# KiCad board hvd-68-vhdci-panel.kicad_pcb (continued)
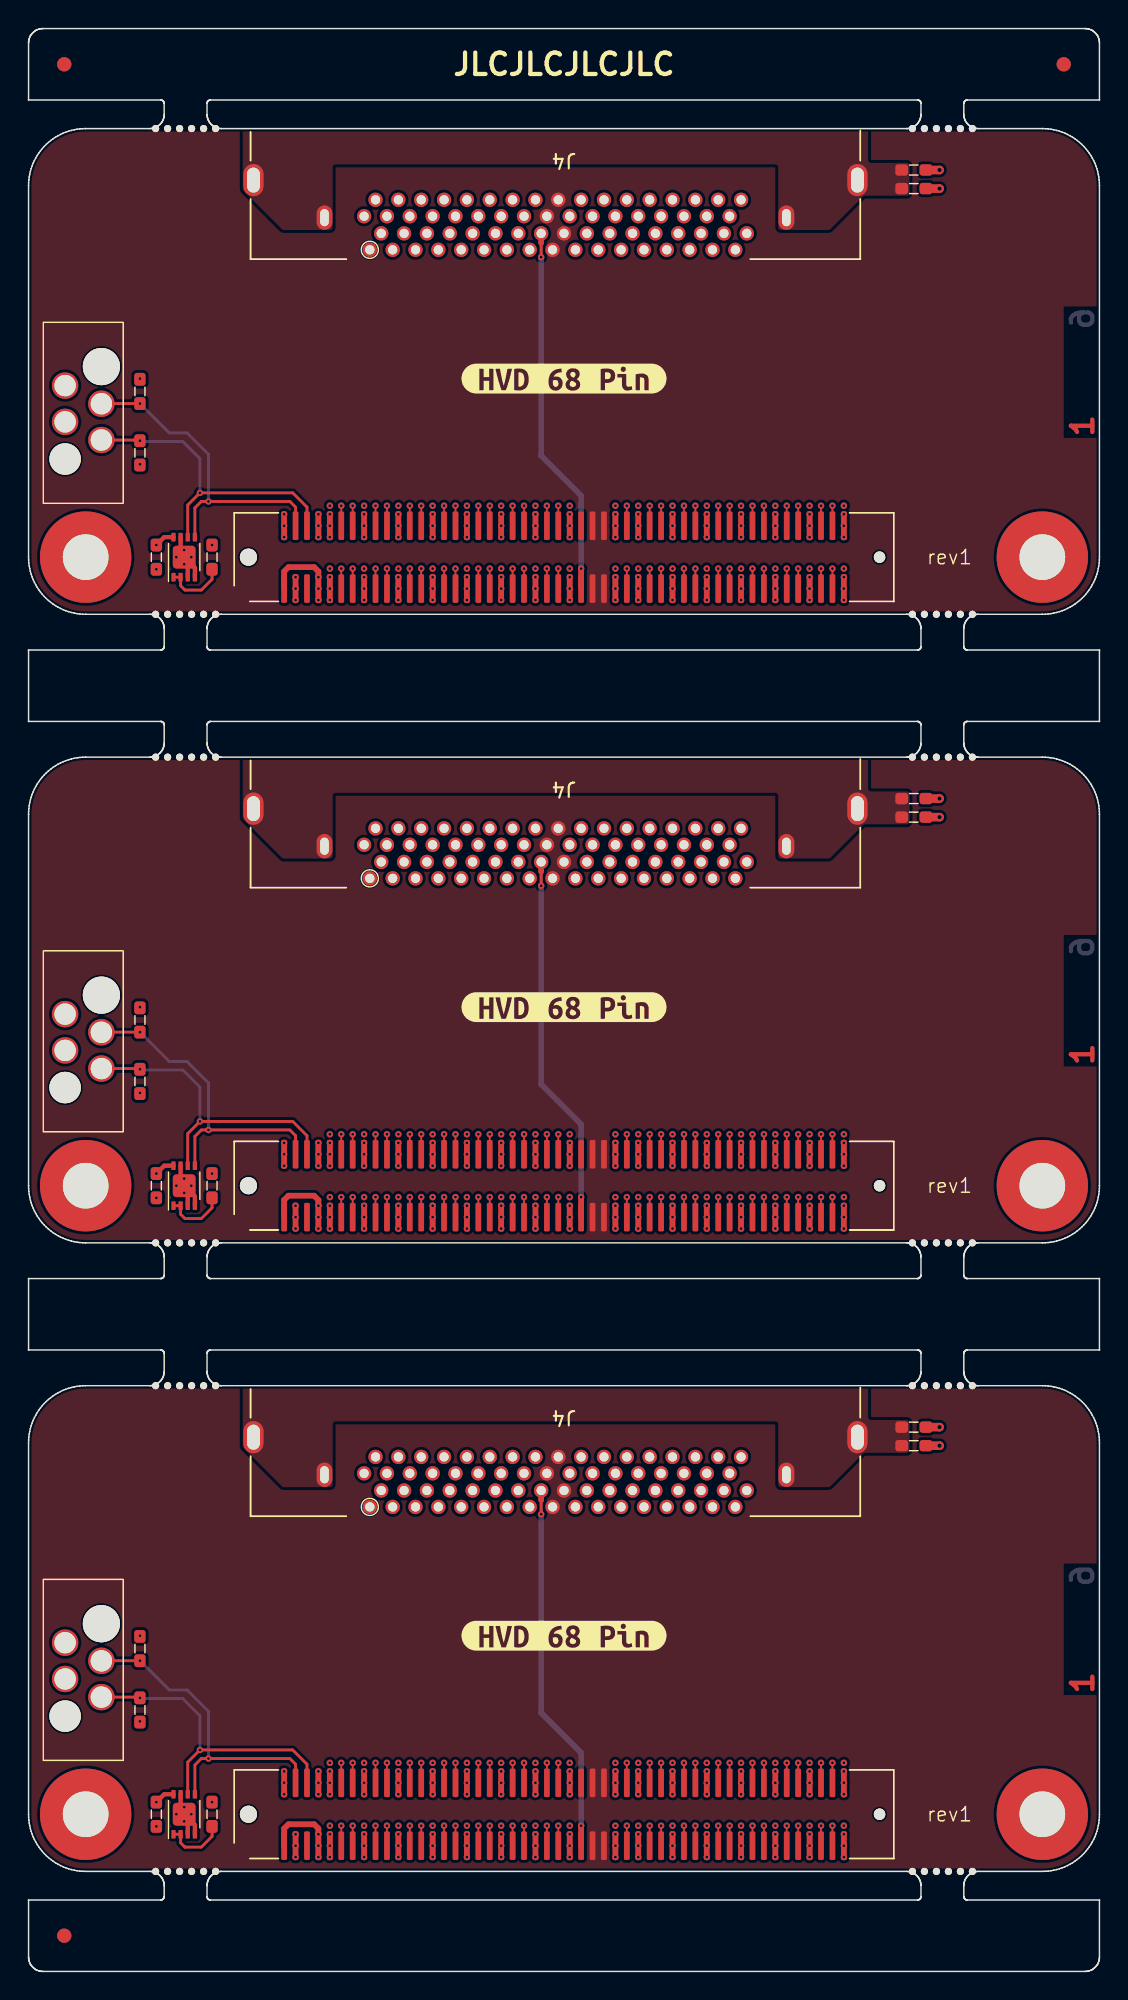
[diagram p0: board, top side]
## Routing (per net, layer and track width the routed paths; a pad name or vN(x,y) marks a point on that pad's centre or on a via; arc(x,y) is an arc through that point) (continued)
Board_0-/CON.DB7-: length 27
  Top w0.128: J1.48 v1(36.3,102.6)
  In2.Cu w0.128: J4#2.48 33.9,122.2 33.7,122 33.7,121.3 34.1,120.9 34.1,113.04 arc(34.04,112.88) 33.88,112.82 arc(33.73,112.76) 33.66,112.6 33.66,112.44 arc(33.73,112.28) 33.88,112.22 arc(34.04,112.16) 34.1,112 34.1,111.84 arc(34.04,111.68) 33.88,111.62 arc(33.73,111.56) 33.66,111.4 33.66,111.24 arc(33.73,111.08) 33.88,111.02 arc(34.04,110.96) 34.1,110.8 34.1,110.64 arc(34.04,110.48) 33.88,110.42 arc(33.73,110.36) 33.66,110.2 33.66,110.04 arc(33.73,109.88) 33.88,109.82 arc(34.04,109.76) 34.1,109.6 34.1,109.44 arc(34.04,109.28) 33.88,109.22 arc(33.73,109.16) 33.66,109 33.66,108.84 arc(33.73,108.68) 33.88,108.62 arc(34.04,108.56) 34.1,108.4 34.1,108.24 arc(34.04,108.08) 33.88,108.02 arc(33.73,107.96) 33.66,107.8 33.66,107.64 arc(33.73,107.48) 33.88,107.42 arc(34.04,107.36) 34.1,107.2 34.1,107.04 arc(34.04,106.88) 33.88,106.82 arc(33.73,106.76) 33.66,106.6 33.66,106.44 arc(33.73,106.28) 33.88,106.22 arc(34.04,106.16) 34.1,106 34.1,104.8 v1(36.3,102.6)
Board_0-/CON.DB8+: length 29.6
  Top w0.128: J1.89 v1(53.1,98.2)
  In3.Cu w0.128: v1(53.1,98.2) 52.8,98.5 52.8,102.9 47.3,108.4 47.3,110 arc(47.37,110.17) 47.54,110.24 arc(47.7,110.31) 47.77,110.47 47.77,110.6 arc(47.7,110.77) 47.54,110.84 arc(47.37,110.91) 47.3,111.07 47.3,111.2 arc(47.37,111.37) 47.54,111.44 arc(47.7,111.51) 47.77,111.67 47.77,111.8 arc(47.7,111.97) 47.54,112.04 arc(47.37,112.11) 47.3,112.27 47.3,112.4 arc(47.37,112.57) 47.54,112.64 arc(47.7,112.71) 47.77,112.87 47.77,113 arc(47.7,113.17) 47.54,113.24 arc(47.37,113.31) 47.3,113.47 47.3,113.6 arc(47.37,113.77) 47.54,113.84 arc(47.7,113.91) 47.77,114.07 47.77,114.2 arc(47.7,114.37) 47.54,114.44 arc(47.37,114.51) 47.3,114.67 47.3,114.8 arc(47.37,114.97) 47.54,115.04 arc(47.7,115.11) 47.77,115.27 47.77,115.4 arc(47.7,115.57) 47.54,115.64 arc(47.37,115.71) 47.3,115.87 47.3,116 arc(47.37,116.17) 47.54,116.24 arc(47.7,116.31) 47.77,116.47 47.77,116.6 arc(47.7,116.77) 47.54,116.84 arc(47.37,116.91) 47.3,117.07 47.3,119.92 J4#2.31
Board_0-/CON.DB8-: length 27
  Top w0.128: J1.90 v1(53.1,102.6)
  In2.Cu w0.128: v1(53.1,102.6) 47.3,108.4 47.3,110 arc(47.35,110.13) 47.49,110.19 arc(47.62,110.24) 47.67,110.37 47.67,110.6 arc(47.62,110.73) 47.49,110.79 arc(47.35,110.84) 47.3,110.97 47.3,111.2 arc(47.35,111.33) 47.49,111.39 arc(47.62,111.44) 47.67,111.57 47.67,111.8 arc(47.62,111.93) 47.49,111.99 arc(47.35,112.04) 47.3,112.17 47.3,112.4 arc(47.35,112.53) 47.49,112.59 arc(47.62,112.64) 47.67,112.77 47.67,113 arc(47.62,113.13) 47.49,113.19 arc(47.35,113.24) 47.3,113.37 47.3,113.6 arc(47.36,113.75) 47.51,113.81 arc(47.66,113.87) 47.72,114.02 47.72,114.2 arc(47.66,114.35) 47.51,114.41 arc(47.36,114.47) 47.3,114.62 47.3,114.8 arc(47.36,114.95) 47.51,115.01 arc(47.66,115.07) 47.72,115.22 47.72,115.4 arc(47.66,115.55) 47.51,115.61 arc(47.36,115.67) 47.3,115.82 47.3,116 arc(47.35,116.13) 47.49,116.19 arc(47.62,116.24) 47.67,116.37 47.67,116.6 arc(47.62,116.73) 47.49,116.79 arc(47.35,116.84) 47.3,116.97 47.3,120.9 47.7,121.3 47.7,122 47.5,122.2 J4#2.65
Board_0-/CON.DB9+: length 29.6
  Top w0.128: J1.91 v1(53.9,98.2)
  In3.Cu w0.128: J4#2.32 48.7,120.3 48.5,120.1 48.5,115.82 arc(48.44,115.68) 48.29,115.61 arc(48.14,115.55) 48.08,115.4 48.08,115.22 arc(48.14,115.08) 48.29,115.01 arc(48.44,114.95) 48.5,114.8 48.5,114.62 arc(48.44,114.48) 48.29,114.41 arc(48.14,114.35) 48.08,114.2 48.08,114.02 arc(48.14,113.88) 48.29,113.81 arc(48.44,113.75) 48.5,113.6 48.5,113.42 arc(48.44,113.28) 48.29,113.21 arc(48.14,113.15) 48.08,113 48.08,112.82 arc(48.14,112.68) 48.29,112.61 arc(48.44,112.55) 48.5,112.4 48.5,112.22 arc(48.44,112.08) 48.29,112.01 arc(48.14,111.95) 48.08,111.8 48.08,111.62 arc(48.14,111.48) 48.29,111.41 arc(48.44,111.35) 48.5,111.2 48.5,111.02 arc(48.44,110.88) 48.29,110.81 arc(48.14,110.75) 48.08,110.6 48.08,110.42 arc(48.14,110.28) 48.29,110.21 arc(48.44,110.15) 48.5,110 48.5,108 53.5,103 53.5,98.6 v1(53.9,98.2)
Board_0-/CON.DB9-: length 27
  Top w0.128: J1.92 v1(53.9,102.6)
  In2.Cu w0.128: v1(53.9,102.6) 48.5,108 48.5,110 arc(48.43,110.17) 48.26,110.24 48.26,110.24 arc(48.09,110.31) 48.02,110.48 48.02,110.6 arc(48.09,110.77) 48.26,110.84 48.26,110.84 arc(48.43,110.91) 48.5,111.08 48.5,111.2 arc(48.43,111.37) 48.26,111.44 48.26,111.44 arc(48.09,111.51) 48.02,111.68 48.02,111.8 arc(48.09,111.97) 48.26,112.04 48.26,112.04 arc(48.43,112.11) 48.5,112.28 48.5,112.4 arc(48.43,112.57) 48.26,112.64 48.26,112.64 arc(48.09,112.71) 48.02,112.88 48.02,113 arc(48.09,113.17) 48.26,113.24 48.26,113.24 arc(48.43,113.31) 48.5,113.48 48.5,120.9 48.1,121.3 48.1,122 48.3,122.2 J4#2.66
Board_0-/CON.DB10+: length 29.6
  Top w0.128: J1.95 v1(55.5,98.2)
  In3.Cu w0.128: J4#2.33 48.9,119.92 48.9,115.88 arc(48.97,115.71) 49.14,115.64 49.16,115.64 arc(49.33,115.57) 49.4,115.4 49.4,115.28 arc(49.33,115.11) 49.16,115.04 49.14,115.04 arc(48.97,114.97) 48.9,114.8 48.9,114.68 arc(48.97,114.51) 49.14,114.44 49.16,114.44 arc(49.33,114.37) 49.4,114.2 49.4,114.08 arc(49.33,113.91) 49.16,113.84 49.14,113.84 arc(48.97,113.77) 48.9,113.6 48.9,113.48 arc(48.97,113.31) 49.14,113.24 49.16,113.24 arc(49.33,113.17) 49.4,113 49.4,112.88 arc(49.33,112.71) 49.16,112.64 49.14,112.64 arc(48.97,112.57) 48.9,112.4 48.9,112.28 arc(48.97,112.11) 49.14,112.04 49.16,112.04 arc(49.33,111.97) 49.4,111.8 49.4,111.68 arc(49.33,111.51) 49.16,111.44 49.14,111.44 arc(48.97,111.37) 48.9,111.2 48.9,111.08 arc(48.97,110.91) 49.14,110.84 49.16,110.84 arc(49.33,110.77) 49.4,110.6 49.4,110.48 arc(49.33,110.31) 49.16,110.24 49.14,110.24 arc(48.97,110.17) 48.9,110 48.9,109.2 55.2,102.9 55.2,98.5 v1(55.5,98.2)
Board_0-/CON.DB10-: length 27
  Top w0.128: J1.96 v1(55.5,102.6)
  In2.Cu w0.128: J4#2.67 49.1,122.2 49.3,122 49.3,121.3 48.9,120.9 48.9,114.68 arc(48.97,114.51) 49.14,114.44 49.16,114.44 arc(49.33,114.37) 49.4,114.2 49.4,114.08 arc(49.33,113.91) 49.16,113.84 49.14,113.84 arc(48.97,113.77) 48.9,113.6 48.9,113.48 arc(48.97,113.31) 49.14,113.24 49.16,113.24 arc(49.33,113.17) 49.4,113 49.4,112.88 arc(49.33,112.71) 49.16,112.64 49.14,112.64 arc(48.97,112.57) 48.9,112.4 48.9,112.28 arc(48.97,112.11) 49.14,112.04 49.16,112.04 arc(49.33,111.97) 49.4,111.8 49.4,111.68 arc(49.33,111.51) 49.16,111.44 49.14,111.44 arc(48.97,111.37) 48.9,111.2 48.9,111.08 arc(48.97,110.91) 49.14,110.84 49.16,110.84 arc(49.33,110.77) 49.4,110.6 49.4,110.48 arc(49.33,110.31) 49.16,110.24 49.14,110.24 arc(48.97,110.17) 48.9,110 48.9,109.2 v1(55.5,102.6)
Board_0-/CON.DB11+: length 29.6
  Top w0.128: J1.97 v1(56.3,98.2)
  In3.Cu w0.128: J4#2.34 50.3,120.3 50.1,120.1 50.1,114.66 arc(50.17,114.5) 50.33,114.43 arc(50.49,114.36) 50.56,114.2 50.56,114.06 arc(50.49,113.9) 50.33,113.83 arc(50.17,113.76) 50.1,113.6 50.1,113.46 arc(50.17,113.3) 50.33,113.23 arc(50.49,113.16) 50.56,113 50.56,112.86 arc(50.49,112.7) 50.33,112.63 arc(50.17,112.56) 50.1,112.4 50.1,112.26 arc(50.17,112.1) 50.33,112.03 arc(50.49,111.96) 50.56,111.8 50.56,111.66 arc(50.49,111.5) 50.33,111.43 arc(50.17,111.36) 50.1,111.2 50.1,111.06 arc(50.17,110.9) 50.33,110.83 arc(50.49,110.76) 50.56,110.6 50.56,110.46 arc(50.49,110.3) 50.33,110.23 arc(50.17,110.16) 50.1,110 50.1,108.8 55.9,103 55.9,98.6 v1(56.3,98.2)
Board_0-/CON.DB11-: length 27
  Top w0.128: J1.98 v1(56.3,102.6)
  In2.Cu w0.128: v1(56.3,102.6) 50.1,108.8 50.1,110 arc(50.16,110.14) 50.29,110.2 arc(50.43,110.25) 50.49,110.39 50.49,110.6 arc(50.43,110.74) 50.29,110.8 arc(50.16,110.85) 50.1,110.99 50.1,111.2 arc(50.16,111.34) 50.29,111.4 arc(50.43,111.45) 50.49,111.59 50.49,111.8 arc(50.43,111.94) 50.29,112 arc(50.16,112.05) 50.1,112.19 50.1,112.4 arc(50.16,112.54) 50.29,112.6 arc(50.43,112.65) 50.49,112.79 50.49,113 arc(50.43,113.14) 50.29,113.2 arc(50.16,113.25) 50.1,113.39 50.1,120.9 49.7,121.3 49.7,122 49.9,122.2 J4#2.68
Board_0-/CON.DB12+: length 29.6
  Top w0.128: J1.11 v1(21.9,98.2)
  In3.Cu w0.128: v1(21.9,98.2) 22.3,98.6 22.3,103 24.5,105.2 24.5,106 arc(24.43,106.17) 24.26,106.24 24.25,106.24 arc(24.08,106.31) 24.01,106.48 24.01,106.6 arc(24.08,106.77) 24.25,106.84 24.26,106.84 arc(24.43,106.91) 24.5,107.08 24.5,107.2 arc(24.43,107.37) 24.26,107.44 24.25,107.44 arc(24.08,107.51) 24.01,107.68 24.01,107.8 arc(24.08,107.97) 24.25,108.04 24.26,108.04 arc(24.43,108.11) 24.5,108.28 24.5,108.4 arc(24.43,108.57) 24.26,108.64 24.25,108.64 arc(24.08,108.71) 24.01,108.88 24.01,109 arc(24.08,109.17) 24.25,109.24 24.26,109.24 arc(24.43,109.31) 24.5,109.48 24.5,109.6 arc(24.43,109.77) 24.26,109.84 24.25,109.84 arc(24.08,109.91) 24.01,110.08 24.01,110.2 arc(24.08,110.37) 24.25,110.44 24.26,110.44 arc(24.43,110.51) 24.5,110.68 24.5,110.8 arc(24.43,110.97) 24.26,111.04 24.25,111.04 arc(24.08,111.11) 24.01,111.28 24.01,111.4 arc(24.08,111.57) 24.25,111.64 24.26,111.64 arc(24.43,111.71) 24.5,111.88 24.5,112 arc(24.43,112.17) 24.26,112.24 24.25,112.24 arc(24.08,112.31) 24.01,112.48 24.01,112.6 arc(24.08,112.77) 24.25,112.84 24.26,112.84 arc(24.43,112.91) 24.5,113.08 24.5,113.2 arc(24.43,113.37) 24.26,113.44 24.25,113.44 arc(24.08,113.51) 24.01,113.68 24.01,113.8 arc(24.08,113.97) 24.25,114.04 24.26,114.04 arc(24.43,114.11) 24.5,114.28 24.5,114.4 arc(24.43,114.57) 24.26,114.64 24.25,114.64 arc(24.08,114.71) 24.01,114.88 24.01,115 arc(24.08,115.17) 24.25,115.24 24.26,115.24 arc(24.43,115.31) 24.5,115.48 24.5,119.92 J4#2.1
Board_0-/CON.DB12-: length 27
  Top w0.128: J1.12 v1(21.9,102.6)
  In2.Cu w0.128: J4#2.35 23.5,122.2 23.7,122 23.7,121.5 24.5,120.7 24.5,114.28 arc(24.43,114.11) 24.26,114.04 arc(24.09,113.97) 24.02,113.8 24.02,113.68 arc(24.09,113.51) 24.26,113.44 arc(24.43,113.37) 24.5,113.2 24.5,113.08 arc(24.43,112.91) 24.26,112.84 arc(24.09,112.77) 24.02,112.6 24.02,112.48 arc(24.09,112.31) 24.26,112.24 arc(24.43,112.17) 24.5,112 24.5,111.88 arc(24.43,111.71) 24.26,111.64 arc(24.09,111.57) 24.02,111.4 24.02,111.28 arc(24.09,111.11) 24.26,111.04 arc(24.43,110.97) 24.5,110.8 24.5,110.68 arc(24.43,110.51) 24.26,110.44 arc(24.09,110.37) 24.02,110.2 24.02,110.08 arc(24.09,109.91) 24.26,109.84 arc(24.43,109.77) 24.5,109.6 24.5,109.48 arc(24.43,109.31) 24.26,109.24 arc(24.09,109.17) 24.02,109 24.02,108.88 arc(24.09,108.71) 24.26,108.64 arc(24.43,108.57) 24.5,108.4 24.5,108.28 arc(24.43,108.11) 24.26,108.04 arc(24.09,107.97) 24.02,107.8 24.02,107.68 arc(24.09,107.51) 24.26,107.44 arc(24.43,107.37) 24.5,107.2 24.5,107.08 arc(24.43,106.91) 24.26,106.84 arc(24.09,106.77) 24.02,106.6 24.02,106.48 arc(24.09,106.31) 24.26,106.24 arc(24.43,106.17) 24.5,106 24.5,105.2 v1(21.9,102.6)
Board_0-/CON.DB13+: length 29.6
  Top w0.128: J1.13 v1(22.7,98.2)
  In3.Cu w0.128: v1(22.7,98.2) 23,98.5 23,102.9 24.9,104.8 24.9,106 arc(24.96,106.16) 25.12,106.22 arc(25.28,106.29) 25.34,106.44 25.34,106.6 arc(25.28,106.76) 25.12,106.82 arc(24.96,106.89) 24.9,107.04 24.9,107.2 arc(24.96,107.36) 25.12,107.42 arc(25.28,107.49) 25.34,107.64 25.34,107.8 arc(25.28,107.96) 25.12,108.02 arc(24.96,108.09) 24.9,108.24 24.9,108.4 arc(24.96,108.56) 25.12,108.62 arc(25.28,108.69) 25.34,108.84 25.34,109 arc(25.28,109.16) 25.12,109.22 arc(24.96,109.29) 24.9,109.44 24.9,109.6 arc(24.96,109.76) 25.12,109.82 arc(25.28,109.89) 25.34,110.04 25.34,110.2 arc(25.28,110.36) 25.12,110.42 arc(24.96,110.49) 24.9,110.64 24.9,110.8 arc(24.97,110.97) 25.14,111.04 25.15,111.04 arc(25.32,111.11) 25.39,111.28 25.39,111.4 arc(25.32,111.57) 25.15,111.64 25.14,111.64 arc(24.97,111.71) 24.9,111.88 24.9,112 arc(24.97,112.17) 25.14,112.24 25.15,112.24 arc(25.32,112.31) 25.39,112.48 25.39,112.6 arc(25.32,112.77) 25.15,112.84 25.14,112.84 arc(24.97,112.91) 24.9,113.08 24.9,113.2 arc(24.97,113.37) 25.14,113.44 25.15,113.44 arc(25.32,113.51) 25.39,113.68 25.39,113.8 arc(25.32,113.97) 25.15,114.04 25.14,114.04 arc(24.97,114.11) 24.9,114.28 24.9,120.1 24.7,120.3 J4#2.2
Board_0-/CON.DB13-: length 27
  Top w0.128: J1.14 v1(22.7,102.6)
  In2.Cu w0.128: v1(22.7,102.6) 24.9,104.8 24.9,106 arc(24.97,106.17) 25.14,106.24 25.15,106.24 arc(25.32,106.31) 25.39,106.48 25.39,106.6 arc(25.32,106.77) 25.15,106.84 25.14,106.84 arc(24.97,106.91) 24.9,107.08 24.9,107.2 arc(24.97,107.37) 25.14,107.44 25.15,107.44 arc(25.32,107.51) 25.39,107.68 25.39,107.8 arc(25.32,107.97) 25.15,108.04 25.14,108.04 arc(24.97,108.11) 24.9,108.28 24.9,108.4 arc(24.97,108.57) 25.14,108.64 25.15,108.64 arc(25.32,108.71) 25.39,108.88 25.39,109 arc(25.32,109.17) 25.15,109.24 25.14,109.24 arc(24.97,109.31) 24.9,109.48 24.9,109.6 arc(24.97,109.77) 25.14,109.84 25.15,109.84 arc(25.32,109.91) 25.39,110.08 25.39,110.2 arc(25.32,110.37) 25.15,110.44 25.14,110.44 arc(24.97,110.51) 24.9,110.68 24.9,110.8 arc(24.97,110.97) 25.14,111.04 25.15,111.04 arc(25.32,111.11) 25.39,111.28 25.39,111.4 arc(25.32,111.57) 25.15,111.64 25.14,111.64 arc(24.97,111.71) 24.9,111.88 24.9,120.66 24.1,121.46 24.1,122 24.3,122.2 J4#2.36
Board_0-/CON.DB14+: length 29.6
  Top w0.128: J1.17 v1(24.3,98.2)
  In3.Cu w0.128: v1(24.3,98.2) 24.7,98.6 24.7,103 26.1,104.4 26.1,106 arc(26.03,106.17) 25.86,106.24 25.85,106.24 arc(25.68,106.31) 25.61,106.48 25.61,106.6 arc(25.68,106.77) 25.85,106.84 25.86,106.84 arc(26.03,106.91) 26.1,107.08 26.1,107.2 arc(26.03,107.37) 25.86,107.44 25.85,107.44 arc(25.68,107.51) 25.61,107.68 25.61,107.8 arc(25.68,107.97) 25.85,108.04 25.86,108.04 arc(26.03,108.11) 26.1,108.28 26.1,108.4 arc(26.03,108.57) 25.86,108.64 25.85,108.64 arc(25.68,108.71) 25.61,108.88 25.61,109 arc(25.68,109.17) 25.85,109.24 25.86,109.24 arc(26.03,109.31) 26.1,109.48 26.1,109.6 arc(26.03,109.77) 25.86,109.84 25.85,109.84 arc(25.68,109.91) 25.61,110.08 25.61,110.2 arc(25.68,110.37) 25.85,110.44 25.86,110.44 arc(26.03,110.51) 26.1,110.68 26.1,110.8 arc(26.04,110.95) 25.88,111.02 arc(25.73,111.08) 25.67,111.23 25.67,111.4 arc(25.73,111.55) 25.88,111.62 arc(26.04,111.68) 26.1,111.83 26.1,112 arc(26.04,112.15) 25.88,112.22 arc(25.73,112.28) 25.67,112.43 25.67,112.6 arc(25.73,112.75) 25.88,112.82 arc(26.04,112.88) 26.1,113.03 26.1,113.2 arc(26.04,113.35) 25.88,113.42 arc(25.73,113.48) 25.67,113.63 25.67,113.8 arc(25.73,113.95) 25.88,114.02 arc(26.04,114.08) 26.1,114.23 26.1,114.4 arc(26.03,114.57) 25.86,114.64 25.85,114.64 arc(25.68,114.71) 25.61,114.88 25.61,115 arc(25.68,115.17) 25.85,115.24 25.86,115.24 arc(26.03,115.31) 26.1,115.48 26.1,115.6 arc(26.03,115.77) 25.86,115.84 25.85,115.84 arc(25.68,115.91) 25.61,116.08 25.61,116.2 arc(25.68,116.37) 25.85,116.44 25.86,116.44 arc(26.03,116.51) 26.1,116.68 26.1,119.92 J4#2.3
Board_0-/CON.DB14-: length 27
  Top w0.128: J1.18 v1(24.3,102.6)
  In2.Cu w0.128: v1(24.3,102.6) 26.1,104.4 26.1,106 arc(26.04,106.15) 25.89,106.22 arc(25.73,106.28) 25.67,106.43 25.67,106.6 arc(25.73,106.75) 25.89,106.82 arc(26.04,106.88) 26.1,107.03 26.1,107.2 arc(26.04,107.35) 25.89,107.42 arc(25.73,107.48) 25.67,107.63 25.67,107.8 arc(25.73,107.95) 25.89,108.02 arc(26.04,108.08) 26.1,108.23 26.1,108.4 arc(26.04,108.55) 25.89,108.62 arc(25.73,108.68) 25.67,108.83 25.67,109 arc(25.73,109.15) 25.89,109.22 arc(26.04,109.28) 26.1,109.43 26.1,109.6 arc(26.04,109.75) 25.89,109.82 arc(25.73,109.88) 25.67,110.03 25.67,110.2 arc(25.73,110.35) 25.89,110.42 arc(26.04,110.48) 26.1,110.63 26.1,110.8 arc(26.04,110.95) 25.89,111.02 arc(25.73,111.08) 25.67,111.23 25.67,111.4 arc(25.73,111.55) 25.89,111.62 arc(26.04,111.68) 26.1,111.83 26.1,112 arc(26.03,112.17) 25.86,112.24 25.85,112.24 arc(25.68,112.31) 25.61,112.48 25.61,112.6 arc(25.68,112.77) 25.85,112.84 25.86,112.84 arc(26.03,112.91) 26.1,113.08 26.1,113.2 arc(26.03,113.37) 25.86,113.44 25.85,113.44 arc(25.68,113.51) 25.61,113.68 25.61,113.8 arc(25.68,113.97) 25.85,114.04 25.86,114.04 arc(26.03,114.11) 26.1,114.28 26.1,114.4 arc(26.03,114.57) 25.86,114.64 25.85,114.64 arc(25.68,114.71) 25.61,114.88 25.61,115 arc(25.68,115.17) 25.85,115.24 25.86,115.24 arc(26.03,115.31) 26.1,115.48 26.1,120.7 25.3,121.5 25.3,122 25.1,122.2 J4#2.37
Board_0-/CON.DB15+: length 29.6
  Top w0.128: J1.19 v1(25.1,98.2)
  In3.Cu w0.128: v1(25.1,98.2) 25.4,98.5 25.4,102.9 26.5,104 26.5,106 arc(26.57,106.17) 26.74,106.24 26.76,106.24 arc(26.93,106.31) 27,106.48 27,106.6 arc(26.93,106.77) 26.76,106.84 26.74,106.84 arc(26.57,106.91) 26.5,107.08 26.5,107.2 arc(26.57,107.37) 26.74,107.44 26.76,107.44 arc(26.93,107.51) 27,107.68 27,107.8 arc(26.93,107.97) 26.76,108.04 26.74,108.04 arc(26.57,108.11) 26.5,108.28 26.5,108.4 arc(26.57,108.57) 26.74,108.64 26.76,108.64 arc(26.93,108.71) 27,108.88 27,109 arc(26.93,109.17) 26.76,109.24 26.74,109.24 arc(26.57,109.31) 26.5,109.48 26.5,109.6 arc(26.57,109.77) 26.74,109.84 26.76,109.84 arc(26.93,109.91) 27,110.08 27,110.2 arc(26.93,110.37) 26.76,110.44 26.74,110.44 arc(26.57,110.51) 26.5,110.68 26.5,110.8 arc(26.57,110.97) 26.74,111.04 26.76,111.04 arc(26.93,111.11) 27,111.28 27,111.4 arc(26.93,111.57) 26.76,111.64 26.74,111.64 arc(26.57,111.71) 26.5,111.88 26.5,112 arc(26.57,112.17) 26.74,112.24 26.76,112.24 arc(26.93,112.31) 27,112.48 27,112.6 arc(26.93,112.77) 26.76,112.84 26.74,112.84 arc(26.57,112.91) 26.5,113.08 26.5,113.2 arc(26.57,113.37) 26.74,113.44 26.76,113.44 arc(26.93,113.51) 27,113.68 27,113.8 arc(26.93,113.97) 26.76,114.04 26.74,114.04 arc(26.57,114.11) 26.5,114.28 26.5,120.1 26.3,120.3 J4#2.4
Board_0-/CON.DB15-: length 27
  Top w0.128: J1.20 v1(25.1,102.6)
  In2.Cu w0.128: J4#2.38 25.9,122.2 25.7,122 25.7,121.46 26.5,120.66 26.5,113.01 arc(26.56,112.87) 26.7,112.81 arc(26.85,112.75) 26.91,112.6 26.91,112.41 arc(26.85,112.27) 26.7,112.21 arc(26.56,112.15) 26.5,112 26.5,111.87 arc(26.57,111.71) 26.74,111.64 arc(26.9,111.57) 26.97,111.4 26.97,111.27 arc(26.9,111.11) 26.74,111.04 arc(26.57,110.97) 26.5,110.8 26.5,110.67 arc(26.57,110.51) 26.74,110.44 arc(26.9,110.37) 26.97,110.2 26.97,110.07 arc(26.9,109.91) 26.74,109.84 arc(26.57,109.77) 26.5,109.6 26.5,109.47 arc(26.57,109.31) 26.74,109.24 arc(26.9,109.17) 26.97,109 26.97,108.87 arc(26.9,108.71) 26.74,108.64 arc(26.57,108.57) 26.5,108.4 26.5,108.27 arc(26.57,108.11) 26.74,108.04 arc(26.9,107.97) 26.97,107.8 26.97,107.67 arc(26.9,107.51) 26.74,107.44 arc(26.57,107.37) 26.5,107.2 26.5,107.07 arc(26.57,106.91) 26.74,106.84 arc(26.9,106.77) 26.97,106.6 26.97,106.47 arc(26.9,106.31) 26.74,106.24 arc(26.57,106.17) 26.5,106 26.5,104 v1(25.1,102.6)
Board_0-/CON.DIFFSENSE: length 27.7
  Top w0.2: 35.9,121 v1(35.9,120)
  Top w0.4: J4#2.16 35.9,121 ; J1.53 v1(38.7,98.2)
  Bottom w0.2: 35.9,121 v1(35.9,120)
  Bottom w0.4: v1(35.9,120) 35.9,106.1 38.7,103.3 v1(38.7,98.2) ; J4#2.16 35.9,121
Board_0-/CON.DP0+: length 29.6
  Top w0.128: J1.49 v1(37.1,98.2)
  In3.Cu w0.128: J4#2.15 34.5,119.92 34.5,115.48 arc(34.57,115.31) 34.74,115.24 34.75,115.24 arc(34.92,115.17) 34.99,115 34.99,114.88 arc(34.92,114.71) 34.75,114.64 34.74,114.64 arc(34.57,114.57) 34.5,114.4 34.5,114.28 arc(34.57,114.11) 34.74,114.04 34.75,114.04 arc(34.92,113.97) 34.99,113.8 34.99,113.68 arc(34.92,113.51) 34.75,113.44 34.74,113.44 arc(34.57,113.37) 34.5,113.2 34.5,113.08 arc(34.57,112.91) 34.74,112.84 34.75,112.84 arc(34.92,112.77) 34.99,112.6 34.99,112.48 arc(34.92,112.31) 34.75,112.24 34.74,112.24 arc(34.57,112.17) 34.5,112 34.5,111.88 arc(34.57,111.71) 34.74,111.64 34.75,111.64 arc(34.92,111.57) 34.99,111.4 34.99,111.28 arc(34.92,111.11) 34.75,111.04 34.74,111.04 arc(34.57,110.97) 34.5,110.8 34.5,110.68 arc(34.57,110.51) 34.74,110.44 34.75,110.44 arc(34.92,110.37) 34.99,110.2 34.99,110.08 arc(34.92,109.91) 34.75,109.84 34.74,109.84 arc(34.57,109.77) 34.5,109.6 34.5,109.48 arc(34.57,109.31) 34.74,109.24 34.75,109.24 arc(34.92,109.17) 34.99,109 34.99,108.88 arc(34.92,108.71) 34.75,108.64 34.74,108.64 arc(34.57,108.57) 34.5,108.4 34.5,108.28 arc(34.57,108.11) 34.74,108.04 34.75,108.04 arc(34.92,107.97) 34.99,107.8 34.99,107.68 arc(34.92,107.51) 34.75,107.44 34.74,107.44 arc(34.57,107.37) 34.5,107.2 34.5,107.08 arc(34.57,106.91) 34.74,106.84 34.75,106.84 arc(34.92,106.77) 34.99,106.6 34.99,106.48 arc(34.92,106.31) 34.75,106.24 34.74,106.24 arc(34.57,106.17) 34.5,106 34.5,105.2 36.7,103 36.7,98.6 v1(37.1,98.2)
Board_0-/CON.DP0-: length 27
  Top w0.128: J1.50 v1(37.1,102.6)
  In2.Cu w0.128: J4#2.49 34.7,122.2 34.9,122 34.9,121.3 34.5,120.9 34.5,114.28 arc(34.57,114.11) 34.74,114.04 34.75,114.04 arc(34.92,113.97) 34.99,113.8 34.99,113.68 arc(34.92,113.51) 34.75,113.44 34.74,113.44 arc(34.57,113.37) 34.5,113.2 34.5,113.08 arc(34.57,112.91) 34.74,112.84 34.75,112.84 arc(34.92,112.77) 34.99,112.6 34.99,112.48 arc(34.92,112.31) 34.75,112.24 34.74,112.24 arc(34.57,112.17) 34.5,112 34.5,111.88 arc(34.57,111.71) 34.74,111.64 34.75,111.64 arc(34.92,111.57) 34.99,111.4 34.99,111.28 arc(34.92,111.11) 34.75,111.04 34.74,111.04 arc(34.57,110.97) 34.5,110.8 34.5,110.68 arc(34.57,110.51) 34.74,110.44 34.75,110.44 arc(34.92,110.37) 34.99,110.2 34.99,110.08 arc(34.92,109.91) 34.75,109.84 34.74,109.84 arc(34.57,109.77) 34.5,109.6 34.5,109.48 arc(34.57,109.31) 34.74,109.24 34.75,109.24 arc(34.92,109.17) 34.99,109 34.99,108.88 arc(34.92,108.71) 34.75,108.64 34.74,108.64 arc(34.57,108.57) 34.5,108.4 34.5,108.28 arc(34.57,108.11) 34.74,108.04 34.75,108.04 arc(34.92,107.97) 34.99,107.8 34.99,107.68 arc(34.92,107.51) 34.75,107.44 34.74,107.44 arc(34.57,107.37) 34.5,107.2 34.5,107.08 arc(34.57,106.91) 34.74,106.84 34.75,106.84 arc(34.92,106.77) 34.99,106.6 34.99,106.48 arc(34.92,106.31) 34.75,106.24 34.74,106.24 arc(34.57,106.17) 34.5,106 34.5,105.2 v1(37.1,102.6)
Board_0-/CON.DP1+: length 29.6
  Top w0.128: J1.23 v1(26.7,98.2)
  In3.Cu w0.128: v1(26.7,98.2) 27.1,98.6 27.1,103 27.7,103.6 27.7,106 arc(27.65,106.13) 27.51,106.19 arc(27.38,106.24) 27.33,106.38 27.33,106.6 arc(27.38,106.73) 27.51,106.79 arc(27.65,106.84) 27.7,106.98 27.7,107.2 arc(27.65,107.33) 27.51,107.39 arc(27.38,107.44) 27.33,107.58 27.33,107.8 arc(27.38,107.93) 27.51,107.99 arc(27.65,108.04) 27.7,108.18 27.7,108.4 arc(27.65,108.53) 27.51,108.59 arc(27.38,108.64) 27.33,108.78 27.33,109 arc(27.38,109.13) 27.51,109.19 arc(27.65,109.24) 27.7,109.38 27.7,109.6 arc(27.65,109.73) 27.51,109.79 arc(27.38,109.84) 27.33,109.98 27.33,110.2 arc(27.38,110.33) 27.51,110.39 arc(27.65,110.44) 27.7,110.58 27.7,110.8 arc(27.65,110.93) 27.51,110.99 arc(27.38,111.04) 27.33,111.18 27.33,111.4 arc(27.38,111.53) 27.51,111.59 arc(27.65,111.64) 27.7,111.78 27.7,112 arc(27.65,112.13) 27.51,112.19 arc(27.38,112.24) 27.33,112.38 27.33,112.6 arc(27.38,112.73) 27.51,112.79 arc(27.65,112.84) 27.7,112.98 27.7,113.2 arc(27.65,113.33) 27.51,113.39 arc(27.38,113.44) 27.33,113.58 27.33,113.8 arc(27.38,113.93) 27.51,113.99 arc(27.65,114.04) 27.7,114.18 27.7,114.4 arc(27.63,114.57) 27.46,114.64 27.45,114.64 arc(27.29,114.71) 27.21,114.88 27.21,115 arc(27.29,115.17) 27.45,115.24 27.46,115.24 arc(27.63,115.31) 27.7,115.48 27.7,115.6 arc(27.63,115.77) 27.46,115.84 27.45,115.84 arc(27.29,115.91) 27.21,116.08 27.21,116.2 arc(27.29,116.37) 27.45,116.44 27.46,116.44 arc(27.63,116.51) 27.7,116.68 27.7,116.8 arc(27.63,116.97) 27.46,117.04 27.45,117.04 arc(27.29,117.11) 27.21,117.28 27.21,117.4 arc(27.29,117.57) 27.45,117.64 27.46,117.64 arc(27.63,117.71) 27.7,117.88 27.7,118 arc(27.63,118.17) 27.46,118.24 27.45,118.24 arc(27.29,118.31) 27.21,118.48 27.21,118.6 arc(27.29,118.77) 27.45,118.84 27.46,118.84 arc(27.63,118.91) 27.7,119.08 27.7,119.92 J4#2.5
Board_0-/CON.DP1-: length 27
  Top w0.128: J1.24 v1(26.7,102.6)
  In2.Cu w0.128: v1(26.7,102.6) 27.7,103.6 27.7,106 arc(27.64,106.15) 27.5,106.21 arc(27.35,106.26) 27.29,106.41 27.29,106.6 arc(27.35,106.75) 27.5,106.81 arc(27.64,106.86) 27.7,107.01 27.7,107.2 arc(27.64,107.35) 27.5,107.41 arc(27.35,107.46) 27.29,107.61 27.29,107.8 arc(27.35,107.95) 27.5,108.01 arc(27.64,108.06) 27.7,108.21 27.7,108.4 arc(27.64,108.55) 27.5,108.61 arc(27.35,108.66) 27.29,108.81 27.29,109 arc(27.35,109.15) 27.5,109.21 arc(27.64,109.26) 27.7,109.41 27.7,109.6 arc(27.64,109.75) 27.5,109.81 arc(27.35,109.86) 27.29,110.01 27.29,110.2 arc(27.35,110.35) 27.5,110.41 arc(27.64,110.46) 27.7,110.61 27.7,110.8 arc(27.64,110.95) 27.5,111.01 arc(27.35,111.06) 27.29,111.21 27.29,111.4 arc(27.35,111.55) 27.5,111.61 arc(27.64,111.66) 27.7,111.81 27.7,112 arc(27.63,112.17) 27.46,112.24 arc(27.3,112.31) 27.23,112.47 27.23,112.6 arc(27.3,112.77) 27.46,112.84 arc(27.63,112.91) 27.7,113.07 27.7,113.2 arc(27.63,113.37) 27.46,113.44 arc(27.3,113.51) 27.23,113.67 27.23,113.8 arc(27.3,113.97) 27.46,114.04 arc(27.63,114.11) 27.7,114.27 27.7,114.4 arc(27.63,114.57) 27.46,114.64 arc(27.3,114.71) 27.23,114.87 27.23,115 arc(27.3,115.17) 27.46,115.24 arc(27.63,115.31) 27.7,115.47 27.7,115.6 arc(27.63,115.77) 27.46,115.84 arc(27.3,115.91) 27.23,116.07 27.23,116.2 arc(27.3,116.37) 27.46,116.44 arc(27.63,116.51) 27.7,116.67 27.7,120.7 26.9,121.5 26.9,122 26.7,122.2 J4#2.39
Board_0-/CON.I/O+: length 29.6
  Top w0.128: J1.85 v1(51.5,98.2)
  In3.Cu w0.128: v1(51.5,98.2) 51.1,98.6 51.1,103 45.7,108.4 45.7,110 arc(45.77,110.17) 45.94,110.24 arc(46.1,110.31) 46.17,110.47 46.17,110.6 arc(46.1,110.77) 45.94,110.84 arc(45.77,110.91) 45.7,111.07 45.7,111.2 arc(45.77,111.37) 45.94,111.44 arc(46.1,111.51) 46.17,111.67 46.17,111.8 arc(46.1,111.97) 45.94,112.04 arc(45.77,112.11) 45.7,112.27 45.7,112.4 arc(45.77,112.57) 45.94,112.64 arc(46.1,112.71) 46.17,112.87 46.17,113 arc(46.1,113.17) 45.94,113.24 arc(45.77,113.31) 45.7,113.47 45.7,113.6 arc(45.77,113.77) 45.94,113.84 arc(46.1,113.91) 46.17,114.07 46.17,114.2 arc(46.1,114.37) 45.94,114.44 arc(45.77,114.51) 45.7,114.67 45.7,114.8 arc(45.77,114.97) 45.94,115.04 arc(46.1,115.11) 46.17,115.27 46.17,115.4 arc(46.1,115.57) 45.94,115.64 arc(45.77,115.71) 45.7,115.87 45.7,116 arc(45.77,116.17) 45.94,116.24 arc(46.1,116.31) 46.17,116.47 46.17,116.6 arc(46.1,116.77) 45.94,116.84 arc(45.77,116.91) 45.7,117.07 45.7,119.92 J4#2.29